# Altium PCB AT short bus ( 7 x 4.2 inches).PCBDOC (part 1 of 4) (continued)
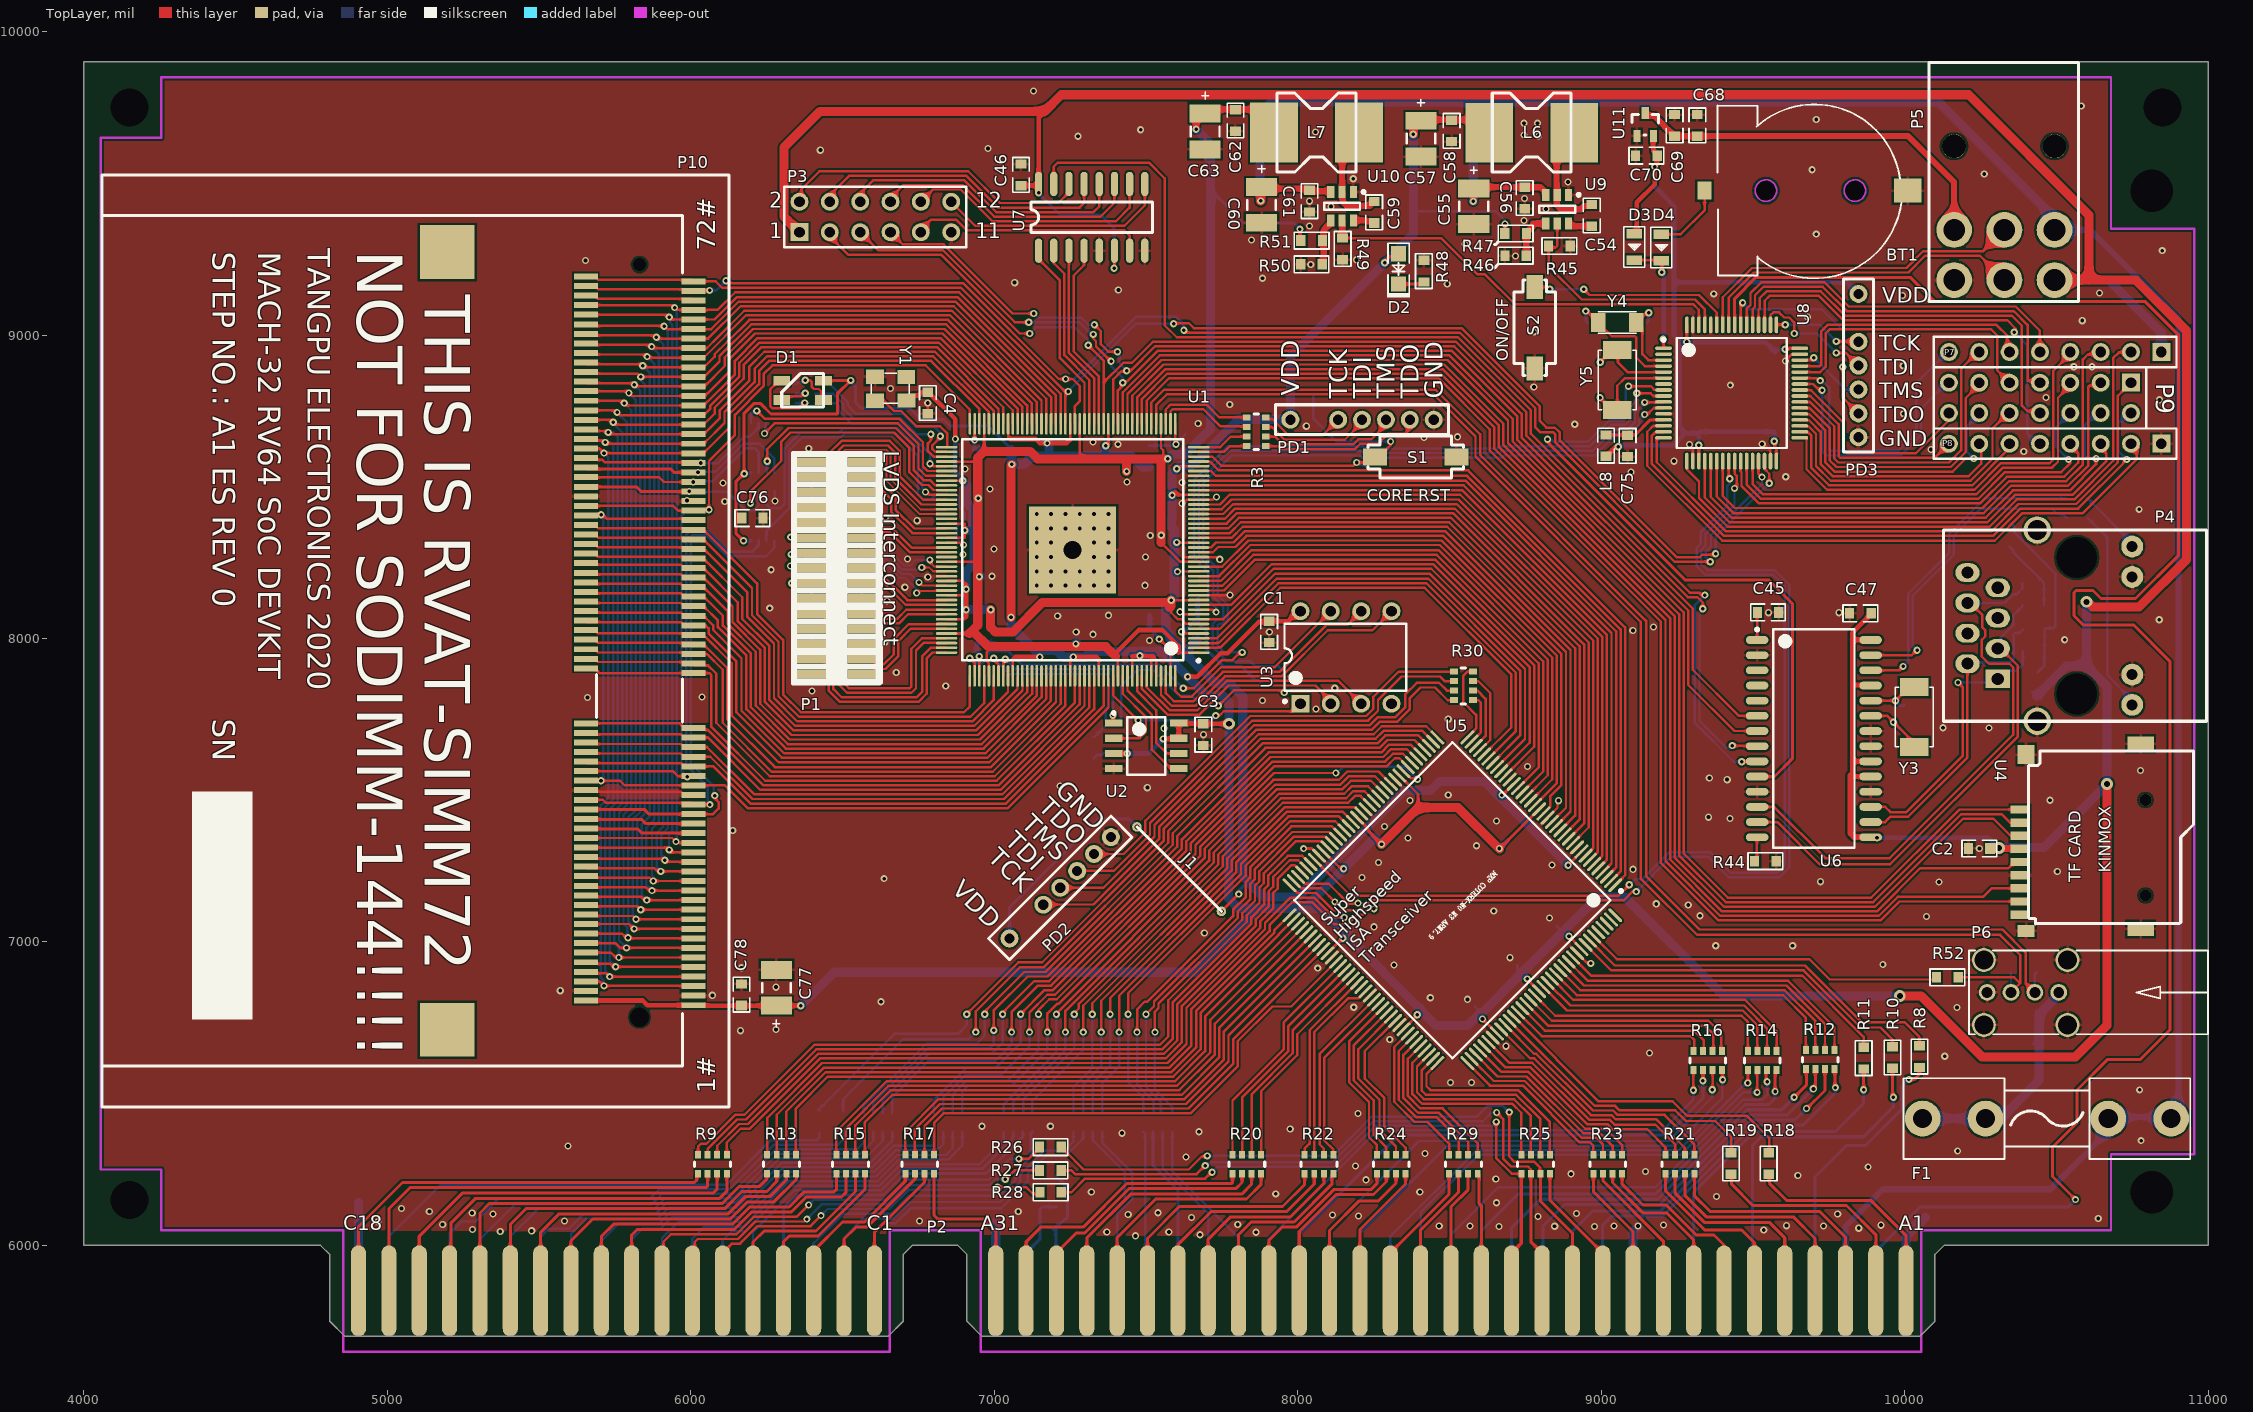
[diagram p0: TopLayer view]
## Footprints (in the part's own frame and the unit in brackets; to place one, negate y for a bottom-side part, rotate by r counter-clockwise, add the part's x,y. Pads: shape width x height; smd on the part's side, far side on the other; paste and mask are expansions set on the pad) (continued)
  silkscreen extent -40.52,-28.96 37.48,23.54
BAT-CR1220 [mm]
  rect 1.5x1.2 smd: 1(0,-5.138)
  rect 2x2.3 smd: 2(0,11.862)
  KeepOutLayer circle w0.15: c0,0 r0.9
  KeepOutLayer circle w0.15: c0,7.45 r0.9
  silkscreen extent -7.22,-4.06 7.34,11.33
BTB_1.27mm_2x10_SMT [mm]
  rect 2.4x0.74 smd: 1(0,0) 2(4.2,0) 3(0,-1.27) 4(4.2,-1.27) 5(0,-2.54) 6(4.2,-2.54) 7(0,-3.81) 8(4.2,-3.81) 9(0,-5.08) 10(4.2,-5.08) 11(0,-6.35) 12(4.2,-6.35) 13(0,-7.62) 14(4.2,-7.62) 15(0,-8.89) 16(4.2,-8.89) 17(0,-10.16) 18(4.2,-10.16) 19(0,-11.43) 20(4.2,-11.43) 21(0,-12.7) 22(4.2,-12.7) 23(0,-13.97) 24(4.2,-13.97) 25(0,-15.24) 26(4.2,-15.24) 27(0,-16.51) 28(4.2,-16.51) 29(0,-17.78) 30(4.2,-17.78)
  silkscreen extent -1.6,-18.65 5.9,0.8
DBGP7 [mm]
  round 1.5 hole 0.85: 1(0,0) 2(0,-4) 3(0,-6) 4(0,-8) 5(0,-10) 6(0,-12)
  silkscreen extent -1.25,-13.25 1.25,1.25
DIP8 [mm]
  rect 1.5x1.5 hole 0.9: 1(-4.013,3.81)
  round 1.5 hole 0.9: 2(-4.013,1.27) 3(-4.013,-1.27) 4(-4.013,-3.81) 5(3.734,-3.81) 6(3.734,-1.27) 7(3.734,1.27) 8(3.734,3.81)
  silkscreen extent -3.93,-5.05 2.69,5.23
EQFP176 [mm]
  oval 1.8x0.22 smd: 1(-10.55,8.6) 2(-10.55,8.2) 3(-10.55,7.8) 4(-10.55,7.4) 5(-10.55,7) 6(-10.55,6.6) 7(-10.55,6.2) 8(-10.55,5.8) 9(-10.55,5.4) 10(-10.55,5) 11(-10.55,4.6) 12(-10.55,4.2) 13(-10.55,3.8) 14(-10.55,3.4) 15(-10.55,3) 16(-10.55,2.6) 17(-10.55,2.2) 18(-10.55,1.8) 19(-10.55,1.4) 20(-10.55,1) 21(-10.55,0.6) 22(-10.55,0.2) 23(-10.55,-0.2) 24(-10.55,-0.6) 25(-10.55,-1) 26(-10.55,-1.4) 27(-10.55,-1.8) 28(-10.55,-2.2) 29(-10.55,-2.6) 30(-10.55,-3) 31(-10.55,-3.4) 32(-10.55,-3.8) 33(-10.55,-4.2) 34(-10.55,-4.6) 35(-10.55,-5) 36(-10.55,-5.4) 37(-10.55,-5.8) 38(-10.55,-6.2) 39(-10.55,-6.6) 40(-10.55,-7) 41(-10.55,-7.4) 42(-10.55,-7.8) 43(-10.55,-8.2) 44(-10.55,-8.6) 89(10.55,-8.6) 90(10.55,-8.2) 91(10.55,-7.8) 92(10.55,-7.4) 93(10.55,-7) 94(10.55,-6.6) 95(10.55,-6.2) 96(10.55,-5.8) 97(10.55,-5.4) 98(10.55,-5) 99(10.55,-4.6) 100(10.55,-4.2) 101(10.55,-3.8) 102(10.55,-3.4) 103(10.55,-3) 104(10.55,-2.6) 105(10.55,-2.2) 106(10.55,-1.8) 107(10.55,-1.4) 108(10.55,-1) 109(10.55,-0.6) 110(10.55,-0.2) 111(10.55,0.2) 112(10.55,0.6) 113(10.55,1) 114(10.55,1.4) 115(10.55,1.8) 116(10.55,2.2) 117(10.55,2.6) 118(10.55,3) 119(10.55,3.4) 120(10.55,3.8) 121(10.55,4.2) 122(10.55,4.6) 123(10.55,5) 124(10.55,5.4) 125(10.55,5.8) 126(10.55,6.2) 127(10.55,6.6) 128(10.55,7) 129(10.55,7.4) 130(10.55,7.8) 131(10.55,8.2) 132(10.55,8.6)
  oval 0.22x1.8 smd: 45(-8.6,-10.55) 46(-8.2,-10.55) 47(-7.8,-10.55) 48(-7.4,-10.55) 49(-7,-10.55) 50(-6.6,-10.55) 51(-6.2,-10.55) 52(-5.8,-10.55) 53(-5.4,-10.55) 54(-5,-10.55) 55(-4.6,-10.55) 56(-4.2,-10.55) 57(-3.8,-10.55) 58(-3.4,-10.55) 59(-3,-10.55) 60(-2.6,-10.55) 61(-2.2,-10.55) 62(-1.8,-10.55) 63(-1.4,-10.55) 64(-1,-10.55) 65(-0.6,-10.55) 66(-0.2,-10.55) 67(0.2,-10.55) 68(0.6,-10.55) 69(1,-10.55) 70(1.4,-10.55) 71(1.8,-10.55) 72(2.2,-10.55) 73(2.6,-10.55) 74(3,-10.55) 75(3.4,-10.55) 76(3.8,-10.55) 77(4.2,-10.55) 78(4.6,-10.55) 79(5,-10.55) 80(5.4,-10.55) 81(5.8,-10.55) 82(6.2,-10.55) 83(6.6,-10.55) 84(7,-10.55) 85(7.4,-10.55) 86(7.8,-10.55) 87(8.2,-10.55) 88(8.6,-10.55) 133(8.6,10.55) 134(8.2,10.55) 135(7.8,10.55) 136(7.4,10.55) 137(7,10.55) 138(6.6,10.55) 139(6.2,10.55) 140(5.8,10.55) 141(5.4,10.55) 142(5,10.55) 143(4.6,10.55) 144(4.2,10.55) 145(3.8,10.55) 146(3.4,10.55) 147(3,10.55) 148(2.6,10.55) 149(2.2,10.55) 150(1.8,10.55) 151(1.4,10.55) 152(1,10.55) 153(0.6,10.55) 154(0.2,10.55) 155(-0.2,10.55) 156(-0.6,10.55) 157(-1,10.55) 158(-1.4,10.55) 159(-1.8,10.55) 160(-2.2,10.55) 161(-2.6,10.55) 162(-3,10.55) 163(-3.4,10.55) 164(-3.8,10.55) 165(-4.2,10.55) 166(-4.6,10.55) 167(-5,10.55) 168(-5.4,10.55) 169(-5.8,10.55) 170(-6.2,10.55) 171(-6.6,10.55) 172(-7,10.55) 173(-7.4,10.55) 174(-7.8,10.55) 175(-8.2,10.55) 176(-8.6,10.55)
  rect 7.3x7.3 smd: 177(0,0)
  silkscreen extent -10.68,-9.25 9.25,9.4, body extent -10,-10 10,10, height 1.6
Fusebux_5x20 [mm]
  round 3 hole 1.6: 1(-0.016,0.027) 1(5.254,0.027) 2(15.514,0.027) 2(20.784,0.027)
  silkscreen extent -1.62,-3.35 22.38,3.41, body extent -0.42,-3.12 21.18,3.18, height 9.77
HDR1X8 [mm] "Connector; Header; 8 Position"
  rect 1.5x1.5 hole 0.9: 1(0,0)
  round 1.5 hole 0.9: 2(2.54,0) 3(5.08,0) 4(7.62,0) 5(10.16,0) 6(12.7,0) 7(15.24,0) 8(17.78,0)
  silkscreen extent -1.27,-1.27 19.05,1.27
HDR2X6 [mm] "Connector; Header; 6x2 Position"
  rect 1.5x1.5 hole 0.9: 1(0,0)
  round 1.5 hole 0.9: 2(0,2.54) 3(2.54,0) 4(2.54,2.54) 5(5.08,0) 6(5.08,2.54) 7(7.62,0) 8(7.62,2.54) 9(10.16,0) 10(10.16,2.54) 11(12.7,0) 12(12.7,2.54)
  silkscreen extent -1.27,-1.27 13.97,3.81
HDR2X7_U [mm] "Connector; Header; 7x2 Position"
  rect 1.5x1.5 hole 0.9: 1(0,0)
  round 1.5 hole 0.9: 2(0,2.54) 3(2.54,0) 4(2.54,2.54) 5(5.08,0) 6(5.08,2.54) 7(7.62,0) 8(7.62,2.54) 9(10.16,0) 10(10.16,2.54) 11(12.7,0) 12(12.7,2.54) 13(15.24,0) 14(15.24,2.54)
  silkscreen extent -1.27,-1.27 16.51,3.81
HR911105A [mil]
  round 39.37 hole 133.86: 0(260,-50) 0(260,400)
  rect 80x62 hole 40: 1(0,0)
  oval 80x62 hole 40: 2(-100,50) 3(0,100) 4(-100,150) 5(0,200) 6(-100,250) 7(0,300) 8(-100,350)
  round 72 hole 36: 9(442.91,-85.63) 10(442.91,14) 11(442.91,335.87) 12(442.91,436)
  round 90 hole 65: S(129.92,-139.76) S(129.92,490.16)
  silkscreen extent -179,-140 687,490, body extent -153,-136 685,494, height 91
"Jumper 10mm" [mm]
  round 0.8 hole 0.4: 1(0,0) 2(10,0)
  silkscreen extent 0,0 10,0
LED3528-RGB [mm]
  rect 1.4x0.8 smd: 1(-1.75,0.8) 2(1.75,0.8) 3(-1.75,-0.8) 4(1.75,-0.8)
  silkscreen extent -1.75,-1.4 1.75,1.4
LQFP144-1 [mm]
  oval 1.55x0.25 smd: 1(0,0) 2(0,-0.5) 3(0,-1) 4(0,-1.5) 5(0,-2) 6(0,-2.5) 7(0,-3) 8(0,-3.5) 9(0,-4) 10(0,-4.5) 11(0,-5) 12(0,-5.5) 13(0,-6) 14(0,-6.5) 15(0,-7) 16(0,-7.5) 17(0,-8) 18(0,-8.5) 19(0,-9) 20(0,-9.5) 21(0,-10) 22(0,-10.5) 23(0,-11) 24(0,-11.5) 25(0,-12) 26(0,-12.5) 27(0,-13) 28(0,-13.5) 29(0,-14) 30(0,-14.5) 31(0,-15) 32(0,-15.5) 33(0,-16) 34(0,-16.5) 35(0,-17) 36(0,-17.5) 73(21.05,-17.5) 74(21.05,-17) 75(21.05,-16.5) 76(21.05,-16) 77(21.05,-15.5) 78(21.05,-15) 79(21.05,-14.5) 80(21.05,-14) 81(21.05,-13.5) 82(21.05,-13) 83(21.05,-12.5) 84(21.05,-12) 85(21.05,-11.5) 86(21.05,-11) 87(21.05,-10.5) 88(21.05,-10) 89(21.05,-9.5) 90(21.05,-9) 91(21.05,-8.5) 92(21.05,-8) 93(21.05,-7.5) 94(21.05,-7) 95(21.05,-6.5) 96(21.05,-6) 97(21.05,-5.5) 98(21.05,-5) 99(21.05,-4.5) 100(21.05,-4) 101(21.05,-3.5) 102(21.05,-3) 103(21.05,-2.5) 104(21.05,-2) 105(21.05,-1.5) 106(21.05,-1) 107(21.05,-0.5) 108(21.05,0)
  oval 0.25x1.55 smd: 37(1.775,-19.275) 38(2.275,-19.275) 39(2.775,-19.275) 40(3.275,-19.275) 41(3.775,-19.275) 42(4.275,-19.275) 43(4.775,-19.275) 44(5.275,-19.275) 45(5.775,-19.275) 46(6.275,-19.275) 47(6.775,-19.275) 48(7.275,-19.275) 49(7.775,-19.275) 50(8.275,-19.275) 51(8.775,-19.275) 52(9.275,-19.275) 53(9.775,-19.275) 54(10.275,-19.275) 55(10.775,-19.275) 56(11.275,-19.275) 57(11.775,-19.275) 58(12.275,-19.275) 59(12.775,-19.275) 60(13.275,-19.275) 61(13.775,-19.275) 62(14.275,-19.275) 63(14.775,-19.275) 64(15.275,-19.275) 65(15.775,-19.275) 66(16.275,-19.275) 67(16.775,-19.275) 68(17.275,-19.275) 69(17.775,-19.275) 70(18.275,-19.275) 71(18.775,-19.275) 72(19.275,-19.275) 109(19.275,1.775) 110(18.775,1.775) 111(18.275,1.775) 112(17.775,1.775) 113(17.275,1.775) 114(16.775,1.775) 115(16.275,1.775) 116(15.775,1.775) 117(15.275,1.775) 118(14.775,1.775) 119(14.275,1.775) 120(13.775,1.775) 121(13.275,1.775) 122(12.775,1.775) 123(12.275,1.775) 124(11.775,1.775) 125(11.275,1.775) 126(10.775,1.775) 127(10.275,1.775) 128(9.775,1.775) 129(9.275,1.775) 130(8.775,1.775) 131(8.275,1.775) 132(7.775,1.775) 133(7.275,1.775) 134(6.775,1.775) 135(6.275,1.775) 136(5.775,1.775) 137(5.275,1.775) 138(4.775,1.775) 139(4.275,1.775) 140(3.775,1.775) 141(3.275,1.775) 142(2.775,1.775) 143(2.275,1.775) 144(1.775,1.775)
  silkscreen extent -0.12,-18.1 19.88,0.8
PCATEDGE [mil]
  oval 50x300 smd: A1(0,0) A2(-100,0) A3(-200,0) A4(-300,0) A5(-400,0) A6(-500,0) A7(-600,0) A8(-700,0) A9(-800,0) A10(-900,0) A11(-1000,0) A12(-1100,0) A13(-1200,0) A14(-1300,0) A15(-1400,0) A16(-1500,0) A17(-1600,0) A18(-1700,0) A19(-1800,0) A20(-1900,0) A21(-2000,0) A22(-2100,0) A23(-2200,0) A24(-2300,0) A25(-2400,0) A26(-2500,0) A27(-2600,0) A28(-2700,0) A29(-2800,0) A30(-2900,0) A31(-3000,0) C1(-3400,0) C2(-3500,0) C3(-3600,0) C4(-3700,0) C5(-3800,0) C6(-3900,0) C7(-4000,0) C8(-4100,0) C9(-4200,0) C10(-4300,0) C11(-4400,0) C12(-4500,0) C13(-4600,0) C14(-4700,0) C15(-4800,0) C16(-4900,0) C17(-5000,0) C18(-5100,0)
  oval 50x300 smd far side: B1(0,0) B2(-100,0) B3(-200,0) B4(-300,0) B5(-400,0) B6(-500,0) B7(-600,0) B8(-700,0) B9(-800,0) B10(-900,0) B11(-1000,0) B12(-1100,0) B13(-1200,0) B14(-1300,0) B15(-1400,0) B16(-1500,0) B17(-1600,0) B18(-1700,0) B19(-1800,0) B20(-1900,0) B21(-2000,0) B22(-2100,0) B23(-2200,0) B24(-2300,0) B25(-2400,0) B26(-2500,0) B27(-2600,0) B28(-2700,0) B29(-2800,0) B30(-2900,0) B31(-3000,0) D1(-3400,0) D2(-3500,0) D3(-3600,0) D4(-3700,0) D5(-3800,0) D6(-3900,0) D7(-4000,0) D8(-4100,0) D9(-4200,0) D10(-4300,0) D11(-4400,0) D12(-4500,0) D13(-4600,0) D14(-4700,0) D15(-4800,0) D16(-4900,0) D17(-5000,0) D18(-5100,0)
PIND0650 [mm] "Power Inductor 6*6*5mm"
  rect 4x5 smd: 1(-3.556,0) 2(3.556,0)
  silkscreen extent -3.3,-3.3 3.3,3.3
PWRCONN-6P [mm]
  round 2 hole 2: 0(-7,8.4) 0(-7,0)
  round 3 hole 1.82: 1(0,8.4) 2(4.2,8.4) 3(0,4.2) 4(4.2,4.2) 5(0,0) 6(4.2,0)
  silkscreen extent -14,-2.1 6,10.4
QFP12X12-64(N) [mm] "SQFP, 64-Leads, Body 10.00x10.00mm, Pitch 0.50mm, IPC Medium Density"
  oval 1.4x0.3 smd: 1(-5.7,3.75) 2(-5.7,3.25) 3(-5.7,2.75) 4(-5.7,2.25) 5(-5.7,1.75) 6(-5.7,1.25) 7(-5.7,0.75) 8(-5.7,0.25) 9(-5.7,-0.25) 10(-5.7,-0.75) 11(-5.7,-1.25) 12(-5.7,-1.75) 13(-5.7,-2.25) 14(-5.7,-2.75) 15(-5.7,-3.25) 16(-5.7,-3.75) 33(5.7,-3.75) 34(5.7,-3.25) 35(5.7,-2.75) 36(5.7,-2.25) 37(5.7,-1.75) 38(5.7,-1.25) 39(5.7,-0.75) 40(5.7,-0.25) 41(5.7,0.25) 42(5.7,0.75) 43(5.7,1.25) 44(5.7,1.75) 45(5.7,2.25) 46(5.7,2.75) 47(5.7,3.25) 48(5.7,3.75)
  oval 0.3x1.4 smd: 17(-3.75,-5.7) 18(-3.25,-5.7) 19(-2.75,-5.7) 20(-2.25,-5.7) 21(-1.75,-5.7) 22(-1.25,-5.7) 23(-0.75,-5.7) 24(-0.25,-5.7) 25(0.25,-5.7) 26(0.75,-5.7) 27(1.25,-5.7) 28(1.75,-5.7) 29(2.25,-5.7) 30(2.75,-5.7) 31(3.25,-5.7) 32(3.75,-5.7) 49(3.75,5.7) 50(3.25,5.7) 51(2.75,5.7) 52(2.25,5.7) 53(1.75,5.7) 54(1.25,5.7) 55(0.75,5.7) 56(0.25,5.7) 57(-0.25,5.7) 58(-0.75,5.7) 59(-1.25,5.7) 60(-1.75,5.7) 61(-2.25,5.7) 62(-2.75,5.7) 63(-3.25,5.7) 64(-3.75,5.7)
  silkscreen extent -5.82,-4.6 4.6,4.6, body extent -5,-5 5,5, height 2.45
SO-16 [mil]
  oval 80x24 smd: 1(0,0) 2(0,-50) 3(0,-100) 4(0,-150) 5(0,-200) 6(0,-250) 7(0,-300) 8(0,-350) 9(220,-350) 10(220,-300) 11(220,-250) 12(220,-200) 13(220,-150) 14(220,-100) 15(220,-50) 16(220,0)
  silkscreen extent 60,-375 160,25
SOIC28P1040X265 [mm] "SOIC, 28-Leads, Body 17.95x7.50mm, Pitch 1.27mm, IPC Medium Density"
  oval 1.9x0.65 smd: 1(-4.75,8.255) 2(-4.75,6.985) 3(-4.75,5.715) 4(-4.75,4.445) 5(-4.75,3.175) 6(-4.75,1.905) 7(-4.75,0.635) 8(-4.75,-0.635) 9(-4.75,-1.905) 10(-4.75,-3.175) 11(-4.75,-4.445) 12(-4.75,-5.715) 13(-4.75,-6.985) 14(-4.75,-8.255) 15(4.75,-8.255) 16(4.75,-6.985) 17(4.75,-5.715) 18(4.75,-4.445) 19(4.75,-3.175) 20(4.75,-1.905) 21(4.75,-0.635) 22(4.75,0.635) 23(4.75,1.905) 24(4.75,3.175) 25(4.75,4.445) 26(4.75,5.715) 27(4.75,6.985) 28(4.75,8.255)
  silkscreen extent -4.87,-9.15 3.4,9.25, body extent -3.8,-9.15 3.8,9.15, height 2.65
SOP8N-127P600X200 [mm] "SOP, 8-Leads, Body 4.90x3.90mm, Pitch 1.27mm, IPC Medium Density"
  rect 1.45x0.6 smd: 1(-2.725,1.905) 2(-2.725,0.635) 3(-2.725,-0.635) 4(-2.725,-1.905) 5(2.725,-1.905) 6(2.725,-0.635) 7(2.725,0.635) 8(2.725,1.905)
  silkscreen extent -2.85,-2.4 1.6,2.88, body extent -2,-2.4 2,2.4, height 2
SOT95P245X110-6N [mm] "SOT23, 6-Leads, Body 2.90x2.45mm, Pitch 0.95mm, IPC Medium Density"
  rect 1x0.6 smd: 1(-1.2,0.95) 2(-1.2,0) 3(-1.2,-0.95) 4(1.2,-0.95) 5(1.2,0) 6(1.2,0.95)
  silkscreen extent -1.32,-1.5 0.3,1.93, body extent -0.7,-1.5 0.7,1.5, height 1.1
SOT323-N [mm]
  rect 0.6x1 smd: 1(-0.686,-0.965) 2(0.686,-0.965) 3(0,0.965)
  silkscreen extent -1.12,-0.89 1.12,0.81
Switch_SMT-022S-H2.5 [mm]
  rect 2x1.4 smd: 1(3.4,0) 2(-3.4,0)
  silkscreen extent -4,-1.75 4,1.75
TanCap-1210 [mm] "Chip Capacitor, Body 3.2x2.5mm, IPC High Density"
  rect 1.5x2.6 smd: 1(-1.5,0) 2(1.5,0)
  silkscreen extent -3.3,-1.2 0.4,1.2, body extent -1.68,-1.32 1.68,1.32, height 0.9
TF_self-eject [mm]
  rect 0.7x1.6 smd: 1(0,0) 2(-1.1,0) 3(-2.2,0) 4(-3.3,0) 5(-4.4,0) 6(-5.5,0) 7(-6.6,0) 8(-7.7,0) 9(-8.8,0)
  rect 1x1.4 smd: 10(-10.16,-0.508)
  rect 1.6x1.4 smd: 11(4.6,-0.5)
  rect 1.2x2.2 smd: 12(5.5,-10.1) 13(-10,-10.1)
  silkscreen extent -9.59,-14.52 4.9,-0.7, body extent -10.2,-17.1 5.8,0.72, height 1.85
TSSOP-8N_3x3 [mm] "TSOP, 8-Leads, Body 3.00x3.00mm, Pitch 0.65mm, IPC Medium Density"
  oval 1.05x0.45 smd: 1(-2.075,0.975) 2(-2.075,0.325) 3(-2.075,-0.325) 4(-2.075,-0.975) 5(2.075,-0.975) 6(2.075,-0.325) 7(2.075,0.325) 8(2.075,0.975)
  silkscreen extent -2.2,-1.55 1.15,1.87, body extent -1.55,-1.55 1.55,1.55, height 1
USB-A_1 [mm]
  round 1.4 hole 0.9: 1(-0.011,-0.003) 2(-0.011,1.997) 3(-0.011,3.997) 4(-0.011,5.997)
  round 2 hole 1.6: 5(-2.731,-0.733) 6(2.709,-0.733) 7(-2.731,6.267) 8(2.709,6.267)
  silkscreen extent -3.51,-12.48 3.49,7.52
XTAL-3215 [mm]
  rect 1.2x1.6 smd: 1(-1.6,0) 2(1.6,0)
  silkscreen extent -1.6,-0.9 1.6,0.9
XTAL-3225 [mil]
  rect 47.24x59.06 smd: 1(-38.5,51) 2(-39.5,-52) 3(39.5,-52) 4(38.5,52)
  silkscreen extent -50,-65 48,61
XTAL-5032 [mm]
  rect 1.5x2.4 smd: 1(-2.5,0) 2(2.5,0)
  silkscreen extent -2.5,-1.6 2.5,1.6
YC164 [mm]
  rect 0.5x0.65 smd: 1(0,0) 2(0.8,0) 3(1.6,0) 4(2.4,0) 5(2.4,-1.6) 6(1.6,-1.6) 7(0.8,-1.6) 8(0,-1.6)
  silkscreen extent -0.3,-0.98 2.7,-0.6, body extent -0.3,-1.6 2.7,0, height 1

## Part data
BT1: "Multicell Battery", LatestRevisionDate=17-Jul-2002, LatestRevisionNote="Re-released for DXP Platform.", PackageDescription="Battery; 2 Leads", PackageReference=BAT-2, Published=24-Mar-1999, Publisher="Altium Limited"
C1 C2 C3 C4 C5 C6 C7 C8 C9 C10 C11 C12 C13 C14 C15 C16 C17 C18 C19 C20 C21 C23 C24 C25 C26 C27 C28 C29 C30 C31 C32 C33 C34 C36 C37 C38 C39 C40 C41 C42 C43 C44 C45 C46 C47 C48 C49 C50 C51 C64 C65 C66 C67 C68 C69 C70 C71 C72 C73 C74 C75 C76: "Capacitor", LatestRevisionDate=17-Jul-2002, LatestRevisionNote="Re-released for DXP Platform.", PackageDescription="Radial Cap, Thru-Hole; 2 Leads; 0.3 in Pin Spacing", PackageReference=RAD-0.3, Published=8-Jun-2000, Publisher="Altium Limited"
C22 C35 C52 C55 C57 C60 C62 C77: library part "Cap Pol1", "Polarized Capacitor (Radial)", LatestRevisionDate=17-Jul-2002, LatestRevisionNote="Re-released for DXP Platform.", PackageDescription="Polarized Capacitor (Radial); 2 Leads", PackageReference=RB7.6-15, Published=8-Jun-2000, Publisher="Altium Limited"
C53 C54 C56 C58 C59 C61 C63 C78: library part Cap, "Ceramic Capacitor 0603", LatestRevisionDate=17-Jul-2002, LatestRevisionNote="Re-released for DXP Platform.", PackageDescription="Radial Cap, Thru-Hole; 2 Leads; 0.3 in Pin Spacing", PackageReference=RAD-0.3, Published=8-Jun-2000, Publisher="Altium Limited"
D1: library part LED3-CA
D2: "Typical INFRARED GaAs LED", LatestRevisionDate=08-Jul-2005, LatestRevisionNote="Mech Layer 1 removed.", PackageDescription="LED; 2 Leads", PackageReference=LED-0, Published=8-Jun-2000, Publisher="Altium Limited"
D3 D4: library part "D Schottky", "Schottky Diode", Code_JEDEC=DO-214-AA, LatestRevisionDate=17-Jul-2002, LatestRevisionNote="Re-released for DXP Platform.", PackageDescription="DO-214-AA/SMB; 2 C-Bend Leads; Body 5.3 x 3.6 mm, inc. leads (LxW)", PackageReference=SMB, Published=8-Jun-2000, Publisher="Altium Limited"
F1: "Fuse", LatestRevisionDate=17-Jul-2002, LatestRevisionNote="Re-released for DXP Platform.", PackageDescription="Thru-Hole; 2 Leads", PackageReference=PIN-W2/E2.8, Published=8-Jun-2000, Publisher="Altium Limited"
L6 L7: library part Inductor, "Inductor 0606", Code_IEC=1005, Code_JEITA=0402, LatestRevisionDate=29-May-2009, LatestRevisionNote="IPC-7351 Footprint Added.", PackageDescription="Chip Inductor", PackageReference=0402-A, Published=8-Jun-2000, Publisher="Altium Limited"
P1: "Header, 15-Pin, Dual row", LatestRevisionDate=17-Jul-2002, LatestRevisionNote="Re-released for DXP Platform.", Publisher="Altium Limited"
P2: "Card, 98-Position", Text Field6="Alternate Layout Available", Text Field7="Published 14-Feb-2002"
P3: "Header, 6-Pin, Dual row", LatestRevisionDate=17-Jul-2002, LatestRevisionNote="Re-released for DXP Platform.", Publisher="Altium Limited"
P5: "Header, 3-Pin, Dual row", LatestRevisionDate=17-Jul-2002, LatestRevisionNote="Re-released for DXP Platform.", Publisher="Altium Limited"
P6: library part "Header 8", "Header, 8-Pin", LatestRevisionDate=17-Jul-2002, LatestRevisionNote="Re-released for DXP Platform.", Publisher="Altium Limited"
P7 P8: "Header, 8-Pin", LatestRevisionDate=17-Jul-2002, LatestRevisionNote="Re-released for DXP Platform.", Publisher="Altium Limited"
P9: "Header, 7-Pin, Dual row", LatestRevisionDate=17-Jul-2002, LatestRevisionNote="Re-released for DXP Platform.", Publisher="Altium Limited"
R1 R2 R5 R7 R8 R10 R11 R18 R19 R26 R27 R28 R36 R37 R38 R39 R40 R41 R42 R43 R44 R48 R52 R53 R54: "Resistor", LatestRevisionDate=17-Jul-2002, LatestRevisionNote="Re-released for DXP Platform.", PackageDescription="Axial Device, Thru-Hole; 2 Leads; 0.3 in Pin Spacing", PackageReference=AXIAL-0.3, Published=8-Jun-2000, Publisher="Altium Limited"
R3 R4 R6 R9 R12 R13 R14 R15 R16 R17 R20 R21 R22 R23 R24 R25 R29 R30 R31 R32 R33 R34 R35: library part ResPak-8P4R
R45 R46 R47 R49 R50 R51: library part Res3, "Resistor", LatestRevisionDate=29-May-2009, LatestRevisionNote="IPC-7351 Footprint Added.", PackageDescription="Chip Resistor", PackageReference=J1-0603, Published=8-Jun-2000, Publisher="Altium Limited"
S1 S2: "Switch", LatestRevisionDate=17-Jul-2002, LatestRevisionNote="Re-released for DXP Platform.", PackageDescription="Switch; 2 Leads", PackageReference=SPST-2, Published=24-Mar-1999, Publisher="Altium Limited"
U2: library part W25Qxx, "Bitstream"
U3: library part W25Qxx, "Bootloader"
U5: library part EF1A650LQ144, "GP CPLD"
U7: library part 74x138
U11: library part PT5110
Y1 Y2: library part OSC
Y3 Y4 Y5: library part XTAL, "Crystal Oscillator", LatestRevisionDate=17-Jul-2002, LatestRevisionNote="Re-released for DXP Platform.", PackageDescription="Crystal, Thru-Hole; 2 Leads; Body 3.1 x 8.2 mm (Dia.xH)", PackageReference=R38, Published=8-Jun-2000, Publisher="Altium Limited"
L1 L2 L3 L4 L5 L8: Code_IEC=1005, Code_JEITA=0402, LatestRevisionDate=29-May-2009, LatestRevisionNote="IPC-7351 Footprint Added.", PackageDescription="Chip Inductor", PackageReference=0402-A, Published=8-Jun-2000, Publisher="Altium Limited"

## Free pads (board coordinates)
  round 50 hole 140: 1(10815,6175) 2(10815,9475)
  round 50 hole 125: 3(10850,9750) 4(4150,9750) 5(4150,6150)

## Via types
v1: diameter 23.62, hole 12.99, TopLayer to BottomLayer, tented both sides, 193 vias
v2: diameter 24.02, hole 11.81, TopLayer to BottomLayer, tented both sides, 137 vias
v3: diameter 23.62, hole 11.81, TopLayer to BottomLayer, tented both sides, 109 vias
v4: diameter 23.62, hole 11.81, TopLayer to BottomLayer, 39 vias
v5: diameter 25.98, hole 12.99, TopLayer to BottomLayer, tented both sides, 32 vias
v6: diameter 23.62, hole 12.99, TopLayer to BottomLayer, 25 vias
v7: diameter 39.37, hole 19.68, TopLayer to BottomLayer, tented both sides, 5 vias
v8: diameter 70, hole 70, TopLayer to BottomLayer, 2 vias
v9: diameter 39.37, hole 39.37, TopLayer to BottomLayer, tented both sides, 2 vias
v10: diameter 98.43, hole 59.06, TopLayer to BottomLayer, tented both sides, 1 vias

## Nets (pads, with @x,y where several pads share a name; then routed paths per layer and width w, separated by ;. In a path a pad name is that pad's centre, name@x,y a point inside that pad or via, vN(x,y) a via of type N, cw(c..) or ccw(c..) an arc to the next point about the centre after c; other vN are vias at no path point)
1V2: C6.1 C7.1 C8.1 C9.1 C10.1 C62.1 C63.2 L7.2 R51.2 U1.1 U1.20 U1.48 U1.65 U1.85 U1.92 U1.113 U1.128 U1.137 U1.164 | length 5301.1
  TopLayer w8: U1.92@6836,8582.92 6932.92,8582.92 6945.5,8595.5 ; U1.128@6842.65,8016.41 6918.41,8016.41 ; U1.113@6842.65,8252.63 6943.87,8252.63 6945.5,8251 ; 6966.66,8616.66 U1.85@6966.66,8707.35 ; U1.137@6982.41,7876.65 6982.28,7876.77 6982.28,7918.18 6974.99,7925.47 6974.99,7954.99 6982.41,7962.41 ; U1.65@7281.62,8707.35 7281.62,8608.38 7298,8592 ; 7386,7955 7403,7955 ; 7400,7941 7407.61,7933.39 U1.164@7407.61,7876.65 ; U1.48@7549.34,8707.35 7549.34,8627.66 7557,8620 7557,8593.09 7558.09,8592 ; 7550,8316.14 7576.33,8289.81 7576.45,8289.81 7613.63,8252.63 U1.20@7673.35,8252.63 ; 7607.09,7953.42 U1.1@7673.35,7953.42
  TopLayer w10: v3(8007,9349) 8007,9314.54 R51.2@8010.39,9311.15
  TopLayer w15: 7403,7955 7476,8028 7554.28,8028 7607.09,7975.2 7607.09,7953.42
  TopLayer w20: v2(7665,9678) 7665,9710.68 7684.53,9730.21 C62.1@7694.82,9730.21 7708.61,9744 7793.4,9744 C63.2@7793.82,9743.58 ; C63.2@7786.07,9737.83 7791.82,9743.58 C63.2@7793.82,9743.58 ; C63.2@7794.82,9742.58 C63.2@7793.82,9743.58 ; L7.2@7921.82,9667.15 7921.82,9674.84 7853.08,9743.58 C63.2@7793.82,9743.58
  TopLayer w30: 6918.41,8016.41 6928,8026 6980.99,7973.01 7367.99,7973.01 7386,7955 7400,7941 ; 6931.95,8029.95 6945.5,8043.5 6945.5,8251 6945.5,8436.5 6946.78,8437.78 v2(6946.78,8462) ; v2@6945.5,8462 6945.5,8595.5 6966.66,8616.66 7118.34,8616.66 7143,8592 7298,8592 7428.05,8592 ; v2(7436,8550.43) 7436,8592 7555.91,8592 ; 7550,8316.14 v2(7550,8340) 7550,8586.09 7555.91,8592 ; 7557,8593.09 7555.91,8592 ; 7558.09,8592 7555.91,8592
  BottomLayer w10: 7713,9478 7822,9369 7987,9369 v3(8007,9349)
  BottomLayer w30: v2(6946.78,8462) C6.1@6946.78,8492.22 ; v2(6951,8203) 6952,8204 C10.1@6955.57,8204 ; v2(7269,7982) 7271,7984 C8.1@7271,7986.57 ; v2(7572,8592) 7585.99,8605.99 7628.25,8605.99 7713,8690.74 7713,9478 7713,9630 v2(7665,9678)
2V5: C4.2 C11.1 C13.1 C14.1 C15.1 C16.1 C17.1 C18.1 C19.1 C20.1 C21.1 C57.1 C58.2 D2.1 J1.1 L6.2 PD1.1 R2.2 R5.1 R47.2 U1.7 U1.12 U1.18 U1.24 U1.34 U1.40 U1.96 U1.105 U1.108 U1.117 U1.120 U1.125 U5.9 U5.25 Y1.4 | length 8145.4
  TopLayer w8: U1.125@6842.65,8063.65 6899.65,8063.65 6907,8071 ; U1.120@6842.65,8142.39 6901.39,8142.39 6907,8148 ; U1.117@6842.65,8189.64 6894.64,8189.64 6907,8177.28 ; U1.108@6842.65,8331.37 6902.37,8331.37 v2(6902.37,8356) 6902.37,8378.61 U1.105@6842.65,8378.61 ; U1.96@6842.65,8520.35 v2@6904.65,8520.35 ; 7578.19,8102 7583,8097.19 7583,8084.74 7603.96,8063.78 7616.54,8063.78 7632.41,8047.91 U1.7@7673.35,8047.91 ; v2(7583,8126) 7583.65,8126.65 U1.12@7673.35,8126.65 ; v2(7601,8559) 7605.33,8559 7613.92,8567.59 U1.40@7673.35,8567.59 ; v2(7601.45,8316.66) 7602.07,8316.04 7672.94,8316.04 U1.24@7673.35,8315.62 ; v2(7603.94,8220.47) 7604.18,8220.72 7672.94,8220.72 U1.18@7673.35,8221.13 ; 7606,8473 7605.9,8473.1 U1.34@7673.35,8473.1 ; v2(8673,7484) 8674.82,7484 8711.67,7520.85 U5.25@8712.17,7520.85 ; R47.2@8682.57,9334.62 8683,9335.05 v2(8683,9366) ; v2(8891,7253) 8907.98,7269.98 8907.98,7270.73 8934.88,7297.64 U5.9@8934.88,7298.14
  TopLayer w10: J1.1@7748.47,7100.75 7805.52,7157.8 v2(7806.1,7157.8) ; v2(8286.6,9238.6) 8286.6,9242.39 8302.36,9258.15 8322.72,9258.15 D2.1@8332.28,9267.72
  TopLayer w15: Y1.4@6711,8784.5 6727.12,8800.62 6750.76,8800.62 6761.57,8811.43 C4.2@6781,8811.43 6782.97,8811.43 6872.05,8722.35 v2(6872.05,8657.48) ; 6907,8071 v2(6907,8095) 6907,8148 v2(6907,8162.64) 6907,8177.28 ; v2(7586,8472) 7586,8472.1 7596.45,8482.55 ; 7596.5,8482.5 7605.9,8473.1
  TopLayer w20: C57.1@8406,9709.83 8489.39,9709.83 8489.82,9709.39 8596.57,9709.39 L6.2@8619.82,9686.15
  TopLayer w30: v2(6988,8095) 6988,8037 7004,8021 7061,8021 7159,8119 7576,8119 v2(7583,8126) 7583,8106.82 7578.19,8102 ; v2(8381,9662) 8381,9711.58 8386.53,9706.06 C57.1@8406,9706.06
  BottomLayer w8: 8383,9408 8653,9408 8682,9379 8682,9367 v2(8683,9366)
  BottomLayer w10: v2(7806.1,7157.8) 7806.1,7169.09 7835.63,7198.62 7836.42,7199.41
  BottomLayer w15: v2(6872.05,8657.48) 6872.05,8549.77 6896.46,8525.36 v2(6896.46,8519.68)
  BottomLayer w30: v2(6896.46,8519.68) 6909.78,8506.36 6909.78,8446.67 6915.49,8440.97 6915.49,8437.8 6930.57,8422.72 C21.1@6930.57,8420 6930.57,8358.15 6931,8357.72 C20.1@6931,8356 ; v2(6902.37,8356) C20.1@6931,8356 ; v2(6907,8095) v2(6988,8095) ; v2(6907,8162.64) 6907,8221.43 6932.83,8247.25 6932.83,8353.17 C20.1@6931,8355 C20.1@6931,8356 ; v2(7583,8126) 7564.96,8107.96 7564.96,8025.13 7578.01,8012.09 7578.01,8001.99 7634.5,7945.5 ; C15.1@7583.86,8393.7 7583.86,8367.84 7593,8358.7 7593,8316.66 7593,8137 ; C15.1@7585.19,8396.13 7585.19,8543.19 v2(7601,8559) 7610.99,8568.99 7651.99,8568.99 7804,8721 PD1.1@7975.78,8721 7975.78,8927.78 v2(8286.6,9238.6) 8381,9333 v2(8381,9662) ; C11.1@7670,7994.13 7667.28,7994.13 7634.5,7961.35 7634.5,7945.5 ; 7835.63,7198.62 7886.25,7148 8001,7148 8349.8,7496.8 8353.08,7496.8 8355.8,7499.51 8438.11,7499.51 8467.6,7529 8615,7529 v2@8666.5,7477.5 ; 7836.42,7199.41 7819,7216.83 7819,7808.2 7775.4,7851.8 7728.2,7851.8 7634.5,7945.5 ; v2@8669,7475 v2(8891,7253)
2V5J: J1.2 PD2.1 | length 653.9
  BottomLayer w10: PD2.1@7050.29,7011.29 7050.29,7114.07 7341.34,7405.12 7444.09,7405.12 J1.2@7470.08,7379.13
5V: C44.2 P2.B29 Y2.4 | length 448.2
  BottomLayer w10: C44.2@7179.43,6059 7189.43,6059 C44.2@7190.43,6058 7198.72,6049.72 C44.2@7203.14,6059.77 ; P2.B29@7203.14,5853.77 C44.2@7203.14,6059.77 ; C44.2@7205,6064 C44.2@7203.14,6059.77 ; Y2.4@7205.5,6231 7205.5,6225.09 7241,6189.59 7241,6092 C44.2@7203.14,6059.77
5VSB: C68.2 C69.2 P5.5 U11.3 | length 1291.2
  TopLayer w20: U11.3@9145,9732 9145,9724.13 9146.81,9722.31 9174.69,9722.31 9241.43,9655.57 C69.2@9242,9655.57 C68.2@9317,9655.57 10011.43,9655.57 10163.29,9503.71 P5.5@10163.29,9346.41 P5.5@10146.81,9346.41
+5V: C55.1 C56.2 C60.1 C61.2 F1.1 P2.B3 P5.1 U9.3 U10.3 | length 8575
  TopLayer w20: C60.1@7886.69,9482.33 8033.07,9482.33 C61.2@8038.82,9476.58 8041.32,9474.08 8107.03,9474.08 8108.84,9472.27 U10.3@8108.84,9471.58 ; v3(8578.36,9440.27) C55.1@8578.36,9481.65 ; C55.1@8628.06,9487.57 C56.2@8735.43,9487.57 ; C56.2@8746.43,9488.57 C56.2@8748,9487 8800.47,9487 8814.07,9473.4 8814.07,9465.53 U9.3@8817.6,9462
  TopLayer w30: v3(7878,9442) 7878,9473.68 C60.1@7886.65,9482.33
  BottomLayer w20: P2.B3@9805,5850 9805,6062 9928,6185 10480,6185 10718,6423 10903,6423 10903,8494 10903,9054 10610.59,9346.41 P5.1@10494,9346.41
  BottomLayer w30: v3(7878,9442) 7876,9444 7876,9730 7914,9768 8578.36,9768 ; v3(8578.36,9440.27) 8578.36,9768 ; P5.1@10494,9346.41 10494,9385.53 10111.53,9768 8578.36,9768
+12V: P2.B9
-5V: P2.B5
-12V: P2.B7
A0: P2.A31 R17.5 | length 558.6
  TopLayer w10: R17.5@6801.5,6236 6801.5,6099.69 6814.18,6087 6965,6087 7005,6047 P2.A31@7005,5850
A1: P2.A30 R20.8 | length 952.2
  TopLayer w10: P2.A30@7105,5850 7105,6012 7153,6060 7292.92,6060 7436.92,6204 7782.72,6204 7785.01,6206.29 R20.8@7785.01,6236
A2: P2.A29 R20.7 | length 861.9
  TopLayer w10: P2.A29@7205,5850 7205,5976 7269.8,6040.8 7297.76,6040.8 7443.96,6187 7796,6187 7816.5,6207.5 R20.7@7816.5,6236
A3: P2.A28 R20.6 | length 825.3
  TopLayer w10: P2.A28@7305,5850 7305,6024 7451,6170 7817,6170 7848,6201 R20.6@7848,6236
A4: P2.A27 R20.5 | length 757.7
  TopLayer w10: P2.A27@7405,5850 7405,6026 7532,6153 7831,6153 7879.5,6201.5 R20.5@7879.5,6236
A5: P2.A26 R22.8 | length 799.7
  TopLayer w10: P2.A26@7505,5850 7505,6023 7610,6128 7950,6128 8022.92,6200.92 R22.8@8022.92,6236
A6: P2.A25 R22.7 | length 718
  TopLayer w10: P2.A25@7605,5850 7605,6002 7714,6111 7963,6111 8054.42,6202.42 R22.7@8054.42,6236
A7: P2.A24 R22.6 | length 659.2
  TopLayer w10: P2.A24@7705,5850 7705,6020 7779,6094 7976,6094 8085.92,6203.92 R22.6@8085.92,6236
A8: P2.A23 R22.5 | length 598.3
  TopLayer w10: P2.A23@7805,5850 7805,6035.31 7846.69,6077 7988.12,6077 8112.57,6201.45 8112.57,6231.16 R22.5@8117.41,6236
A9: P2.A22 R24.8 | length 633
  TopLayer w10: P2.A22@7905,5850 7905,6017 7948,6060 7995.16,6060 8119.91,6184.75 8242.75,6184.75 8260.84,6202.84 R24.8@8260.84,6236
A10: P2.A21 R24.7 | length 577
  TopLayer w10: P2.A21@8005,5850 8005,6045.8 8126.95,6167.75 8249.79,6167.75 8292.34,6210.29 R24.7@8292.34,6236
A11: P2.A20 R24.6 | length 513.5
  TopLayer w10: P2.A20@8105,5850 8105,6049 8203,6147 8266,6147 8323.83,6204.83 R24.6@8323.83,6236
A12: P2.A19 R24.5 | length 448.3
  TopLayer w10: P2.A19@8205,5850 8205,6052 8355.33,6202.33 R24.5@8355.33,6236
A13: P2.A18 R29.8 | length 466.3
  TopLayer w10: P2.A18@8305,5850 8305,5975 8498.76,6168.76 R29.8@8498.76,6236
A14: P2.A17 R29.7 | length 437.9
  TopLayer w10: P2.A17@8405,5850 8405,6050.96 8530.25,6176.21 R29.7@8530.25,6236